# KiCad board Battman.kicad_pcb (continued)
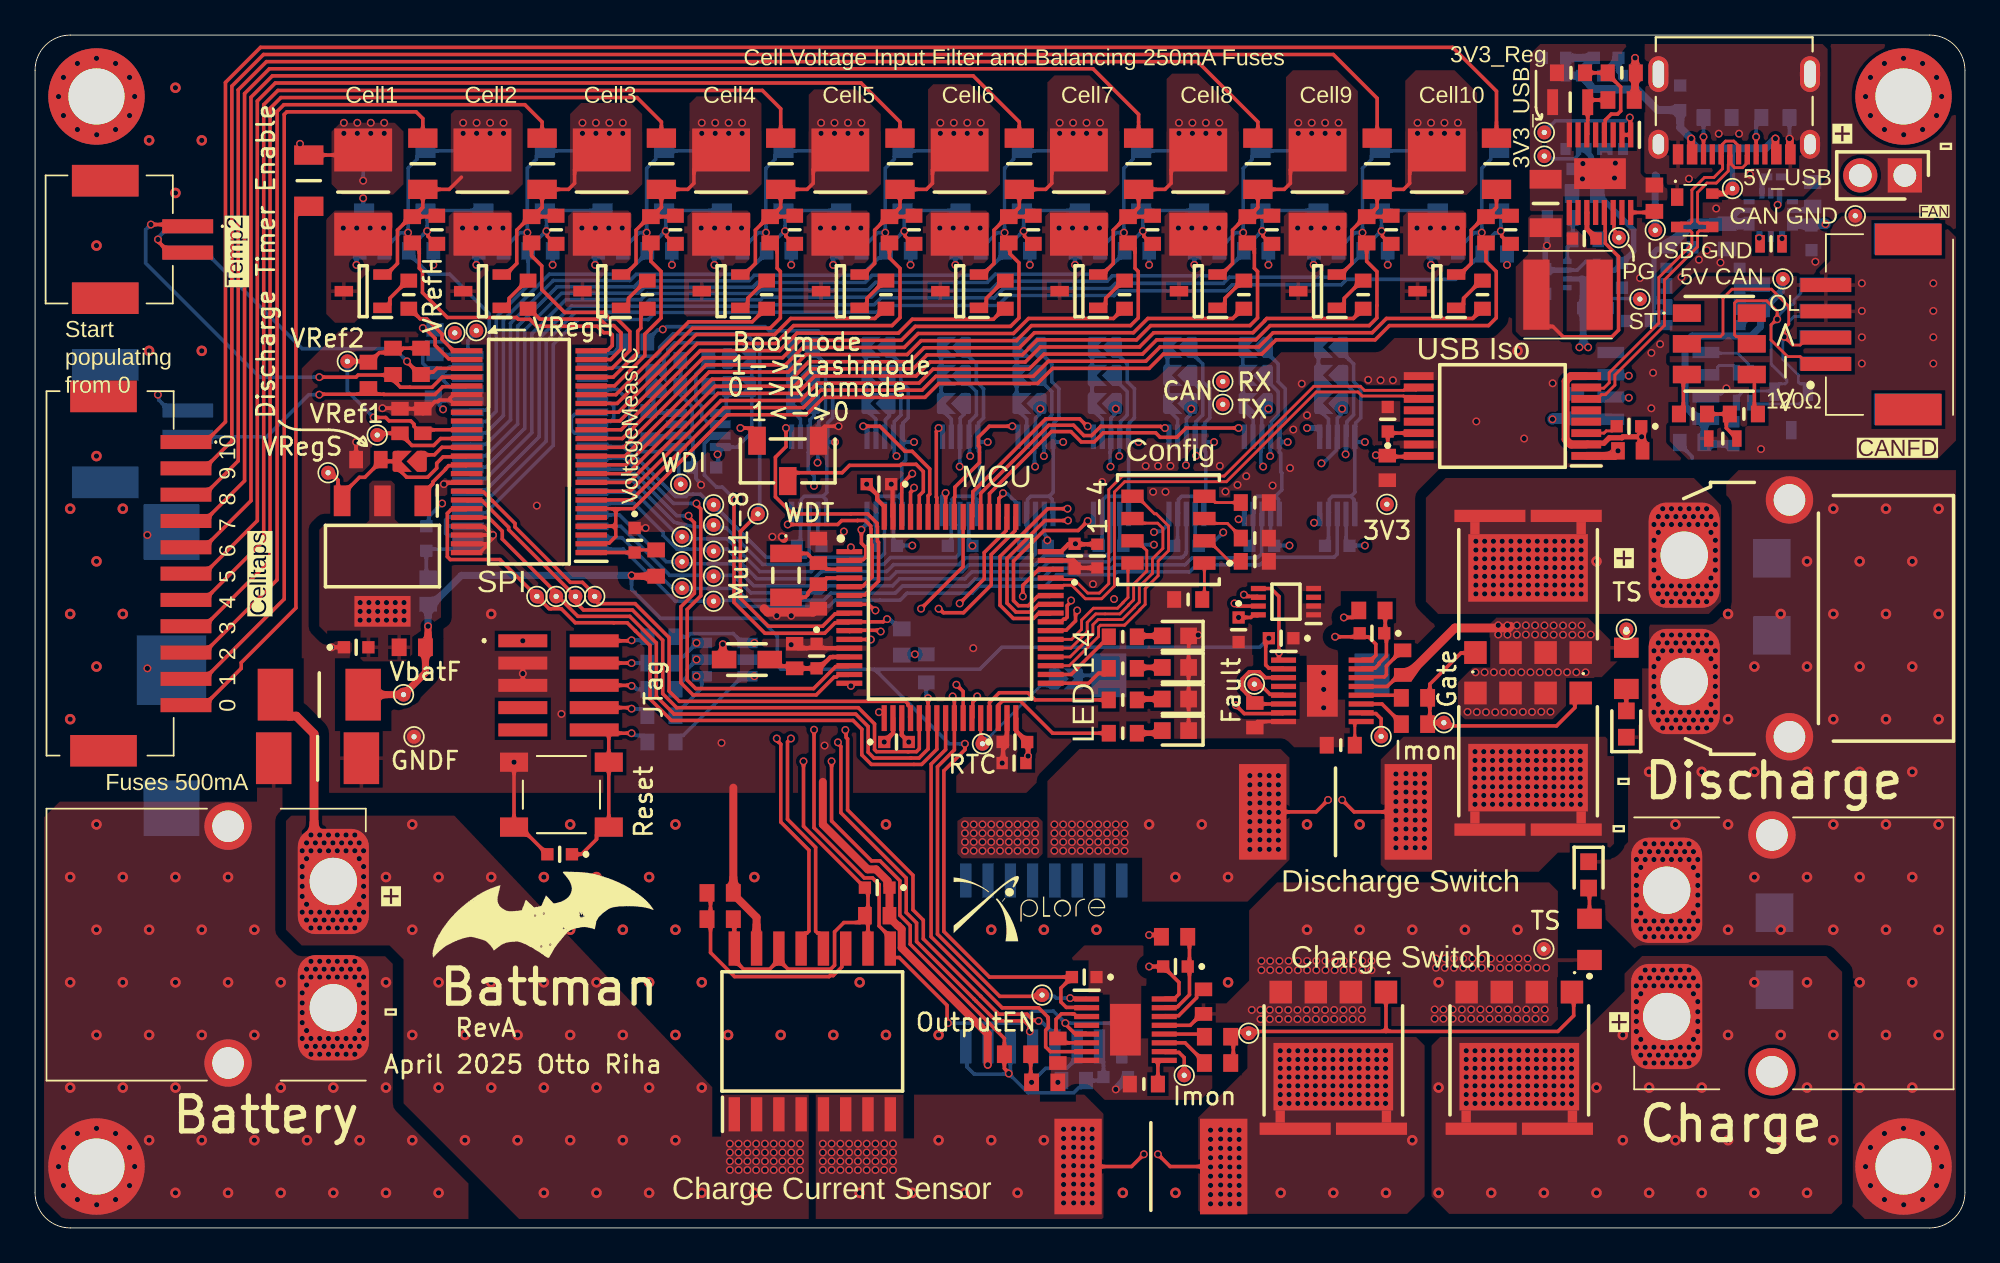
[diagram p0: board, top side]
## Routing (per net, layer and track width the routed paths; a pad name or vN(x,y) marks a point on that pad's centre or on a via; arc(x,y) is an arc through that point) (continued)
NetC409_2: length 1.9
  Top Layer w0.163: C409.2 89.89,45.44 89.56,45.44 89.43,45.31 IC403.3
NetC415_2: length 14
  Bottom Layer w0.2: 92.08,51.69 92.3,51.46 PS401.6 ; 92.28,52.1 92.38,52.2 92.65,52.2 ; 92.28,52.1 92.28,51.9 C415.2 ; 92.28,52.1 92.28,52.8 93.03,52.8 93.08,52.85 93.17,52.85
  Bottom Layer w0.3: C416.1 92.96,55.79 92.45,55.79 92.28,55.61 92.28,52.8 ; IC400.13 97.14,58 96.84,57.7 96.84,57.51 96.57,57.24
  Bottom Layer w0.6: C416.1 94.42,57.24 C421.2 96.45,57.25 97.69,57.25 IC400.11
NetC419_2: length 1.2
  Bottom Layer w0.3: IC400.5 101.1,58 C419.2
NetC602_1: length 5.5
  Top Layer w0.203: IC600.35 23.12,45 22.72,44.61 21.48,44.61 21.07,45.01 C602.1 19.6,45.3
NetC603_1: length 11.7
  Top Layer w0.203: IC600.37 24.55,43.95 23.25,43.95 22.89,43.59 22.89,43.31 22.38,42.8 21.18,42.8 20.63,43.35 20.63,43.55 20.48,43.7 19.8,43.7 C603.1 19.7,43.69 18.8,42.79 18.49,42.79 17.5,41.8 17.5,41.4 17.27,41.63 17.27,42.63 16.7,43.2
NetC713_2: length 2.7
  Top Layer w0.203: 96.8,45.2 96.4,45.6 96.4,46.4 95.1,46.4
NetC801A_2: length 4.8
  Top Layer w0.203: IC801A.3 59.38,12.05 59.23,12.2 59.14,12.2 59.14,12.2 58.51,12.2 58.2,11.89 58.2,10.9 C801A.2 58.55,10.55 IC801A.6
NetC801B_2: length 6
  Top Layer w0.203: IC801B.3 70.13,31.37 69.79,31.7 69.21,31.7 68.8,31.29 68.8,30.71 69.39,30.12 69.52,30.12 69.77,29.87 IC801B.6
NetC802A_1: length 2.4
  Top Layer w0.203: 66.21,13.31 66.21,13.12 65.18,12.1 64.41,12.1 64.41,12.1
NetC802B_1: length 3.3
  Top Layer w0.203: 75.63,31.41 76.91,31.41 77.02,31.53 77.02,32.03 77.56,32.57 77.56,32.64 77.88,32.96 77.95,32.96
NetC805A_1: length 4.6
  Top Layer w0.203: 65.8,16.15 65.8,15 C805A.1 ; 64.37,12.56 64.41,12.6 65.11,12.6 65.8,13.29 65.8,14.9
NetC805B_1: length 4.4
  Top Layer w0.203: IC801B.15 75.63,31.92 76.38,31.92 76.61,32.15 76.61,32.2 77.02,32.61 77.02,33.9 ; 76.96,35.19 76.96,33.96 C805B.1
NetF100_1: length 32.1
  Top Layer w0.203: F100.1 15.32,58.24 14.87,57.79 14.87,35.34 11.75,32.23 11.75,31.9 9.95,30.1 8.9,30.1 J7.11
NetF200A_2: length 9.9
  Top Layer w0.203: 21.58,57.65 21.43,57.65 20.65,56.88 20.65,54.98 20.03,54.35 Q200A.2 ; 21.58,57.65 22.85,57.65 R200A.1 ; 21.58,57.65 22.1,58.17 F200A.2 23.61,59.2 24.3,59.9
  vias: v1(24.4,63) v1(24.4,62.4) v1(25.17,63) v1(25.17,62.4) v1(25.93,63) v1(25.93,62.4) v1(26.7,63) v1(26.7,62.4)
NetF200B_2: length 12.2
  Top Layer w0.203: R203C.1 31.88,61.45 30.75,60.33 30.75,59.55 30.41,59.2 F200B.2 28.9,58.17 28.38,57.65 ; Q200B.2 26.83,54.35 27.45,54.98 27.45,56.88 28.23,57.65 28.38,57.65 ; 28.38,57.65 29.65,57.65 R200B.1
  vias: v1(31.2,63) v1(31.2,62.4) v1(31.97,63) v1(31.97,62.4) v1(32.73,63) v1(32.73,62.4) v1(33.5,63) v1(33.5,62.4)
NetF200C_2: length 12.2
  Top Layer w0.203: 35.18,57.65 36.45,57.65 R200C.1 ; 35.18,57.65 35.7,58.17 F200C.2 37.21,59.2 37.55,59.55 37.55,60.33 38.68,61.45 R203D.1 ; 35.18,57.65 35.03,57.65 34.25,56.88 34.25,54.98 33.63,54.35 Q200C.2
  vias: v1(38,63) v1(38,62.4) v1(38.77,63) v1(38.77,62.4) v1(39.53,63) v1(39.53,62.4) v1(40.3,63) v1(40.3,62.4)
NetF200D_2: length 12.2
  Top Layer w0.203: R203E.1 45.48,61.45 44.35,60.33 44.35,59.55 44.01,59.2 F200D.2 42.5,58.17 41.98,57.65 ; 41.98,57.65 43.25,57.65 R200D.1 ; 41.98,57.65 41.83,57.65 41.05,56.88 41.05,54.98 40.43,54.35 Q200D.2
  vias: v1(44.8,63) v1(44.8,62.4) v1(45.57,63) v1(45.57,62.4) v1(46.33,63) v1(46.33,62.4) v1(47.1,63) v1(47.1,62.4)
NetF200E_2: length 12.2
  Top Layer w0.203: 48.78,57.65 48.63,57.65 47.85,56.88 47.85,54.98 47.23,54.35 Q200E.2 ; 48.78,57.65 49.3,58.17 F200E.2 50.81,59.2 51.15,59.55 51.15,60.33 52.28,61.45 R203F.1 ; 48.78,57.65 50.05,57.65 R200E.1
  vias: v1(51.6,63) v1(51.6,62.4) v1(52.37,63) v1(52.37,62.4) v1(53.13,63) v1(53.13,62.4) v1(53.9,63) v1(53.9,62.4)
NetF200F_2: length 12.2
  Top Layer w0.203: 55.58,57.65 55.43,57.65 54.65,56.88 54.65,54.98 54.03,54.35 Q200F.2 ; 55.58,57.65 56.85,57.65 R200F.1 ; 55.58,57.65 56.1,58.17 F200F.2 57.61,59.2 57.95,59.55 57.95,60.33 59.08,61.45 R203G.1
  vias: v1(58.4,63) v1(58.4,62.4) v1(59.17,63) v1(59.17,62.4) v1(59.93,63) v1(59.93,62.4) v1(60.7,63) v1(60.7,62.4)
NetF200G_2: length 12.2
  Top Layer w0.203: R203H.1 65.88,61.45 64.75,60.33 64.75,59.55 64.41,59.2 F200G.2 62.9,58.17 62.38,57.65 ; Q200G.2 60.83,54.35 61.45,54.98 61.45,56.88 62.23,57.65 62.38,57.65 ; 62.38,57.65 63.65,57.65 R200G.1
  vias: v1(65.2,63) v1(65.2,62.4) v1(65.97,63) v1(65.97,62.4) v1(66.73,63) v1(66.73,62.4) v1(67.5,63) v1(67.5,62.4)
NetF200H_2: length 12.2
  Top Layer w0.203: Q200H.2 67.63,54.35 68.25,54.98 68.25,56.88 69.03,57.65 69.18,57.65 ; 69.18,57.65 70.45,57.65 R200H.1 ; 69.18,57.65 69.7,58.17 F200H.2 71.21,59.2 71.55,59.55 71.55,60.33 72.68,61.45 R203I.1
  vias: v1(72,63) v1(72,62.4) v1(72.77,63) v1(72.77,62.4) v1(73.53,63) v1(73.53,62.4) v1(74.3,63) v1(74.3,62.4)
NetF200I_2: length 12.2
  Top Layer w0.203: Q200I.2 74.43,54.35 75.05,54.98 75.05,56.88 75.83,57.65 75.98,57.65 ; R200I.1 77.25,57.65 75.98,57.65 ; R203J.1 79.48,61.45 78.35,60.33 78.35,59.55 78.01,59.2 F200I.2 76.5,58.17 75.98,57.65
  vias: v1(78.8,63) v1(78.8,62.4) v1(79.57,63) v1(79.57,62.4) v1(80.33,63) v1(80.33,62.4) v1(81.1,63) v1(81.1,62.4)
NetF200J_2: length 7.4
  Top Layer w0.203: 82.78,57.65 83.3,58.17 F200J.2 ; 82.78,57.65 84.05,57.65 R200J.1 ; 82.78,57.65 82.63,57.65 81.85,56.88 81.85,54.98 81.23,54.35 Q200J.2
NetIC300_20: length 32.7
  Top Layer w0.203: IC700.8 46.36,35 45.59,35 44.89,34.3 41.8,34.3 40.2,35.9 40.2,39.7 TP310.1
  Bottom Layer w0.203: 41.3,40.7 41.3,50.17 40.5,50.97 36.37,50.97 35.6,50.2 35.6,49.88 35.42,49.7 34.1,49.7 33.45,49.05 31.83,49.05 IC300.20
NetIC300_23: length 3.4
  Bottom Layer w0.203: IC300.25 31.9,45.97 32.8,45.97 32.98,46.15 32.98,46.85 32.8,47.03 31.9,47.03 IC300.23
NetIC300_24: length 3.4
  Bottom Layer w0.203: IC300.24 31.65,46.38 30.75,46.38 30.57,46.2 30.57,45.5 30.75,45.32 31.65,45.32 IC300.26
NetIC300_28: length 27.5
  Top Layer w0.203: v1(37.7,41.3) 37.7,41.23 37.94,40.99 37.94,36.03 37.17,35.26 37.17,31.23 37.66,30.74 44.37,30.74 45.63,32 46.36,32 IC700.14
  Bottom Layer w0.203: v1(37.7,41.3) 36.39,41.3 34.32,43.37 34.11,43.37 33.58,43.9 IC300.28
NetIC300_29: length 26.9
  Top Layer w0.203: v1(37.25,40.6) 37.25,40.53 37.37,40.41 37.58,40.2 37.58,36.18 36.81,35.41 36.81,31.08 37.51,30.38 44.53,30.38 45.54,31.4 45.68,31.4 45.78,31.5 46.36,31.5 46.41,31.55
  Bottom Layer w0.203: v1(37.25,40.6) 36.58,40.6 34.17,43.01 33.9,43.01 33.65,43.25 IC300.29
NetIC301_4: length 2.8
  Bottom Layer w0.203: IC301.4 35.08,46.46 R300.2 35.25,46.83 35.25,47.41 35.39,47.56 JS300.1
NetIC301_5: length 2.8
  Bottom Layer w0.203: IC301.5 39.28,46.46 39.4,46.58 JS301.1 38.4,47.96 R301.2
NetIC301_6: length 5.8
  Bottom Layer w0.203: 38.52,49.58 39.38,49.58 JS302.1 ; R302.2 38.38,49.38 37.67,48.68 37.67,47.17 38,46.84 38,46.26 38.32,45.93 38.93,45.93 IC301.6
NetIC400_1: length 1.1
  Bottom Layer w0.2: R400.1 98.6,59.92 98.43,59.76
  Bottom Layer w0.3: IC400.1 98.43,59.76
NetIC400_8: length 0.1
  Bottom Layer w0.4: v1(99.58,56.4) 99.58,56.51 IC400.8
NetIC400_10: length 0.1
  Bottom Layer w0.4: IC400.10 98.28,56.51 v1(98.28,56.42)
NetIC401_4: length 5.6
  Top Layer w0.203: 89.4,62.47 89.5,62.56 89.5,63.15 89.84,63.5 90.2,63.5 90.38,63.67 90.38,65.04 89.64,65.78 R402.1 R405.2
NetIC401_14: length 1.5
  Top Layer w0.203: IC401.14 90,57.84 90,56.87 90.28,56.59 90.28,56.5
NetIC401_16: length 1.4
  Top Layer w0.203: 92.3,58.1 92.09,57.89 IC401.16
NetIC402_8: length 2.7
  Bottom Layer w0.203: 91.45,52.98 89.72,52.98 89.1,53.6 IC402.8
NetIC500A_2: length 5.2
  Bottom Layer w0.203: 73.15,50.1 JS501A.2 73.15,46.66 73.31,46.5 73.33,46.5 73.73,46.1 IC500A.2
NetIC500B_2: length 5.2
  Bottom Layer w0.203: 68.85,50.1 JS501B.2 68.85,46.66 69.01,46.5 69.03,46.5 69.43,46.1 IC500B.2
NetIC500C_2: length 5.2
  Bottom Layer w0.203: IC500C.2 65.13,46.1 64.73,46.5 64.71,46.5 64.55,46.66 JS501C.2 64.55,50.1
NetIC500D_2: length 5.2
  Bottom Layer w0.203: IC500D.2 60.83,46.1 60.43,46.5 60.41,46.5 60.25,46.66 JS501D.2 60.25,50.1
NetIC500E_2: length 5.2
  Bottom Layer w0.203: 55.95,50.1 JS501E.2 55.95,46.66 56.11,46.5 56.13,46.5 56.53,46.1 IC500E.2
NetIC500F_2: length 5.2
  Bottom Layer w0.203: 51.65,50.1 JS501F.2 51.65,46.66 51.81,46.5 51.83,46.5 52.23,46.1 IC500F.2
NetIC500G_2: length 5.2
  Bottom Layer w0.203: IC500G.2 47.93,46.1 47.53,46.5 47.51,46.5 47.35,46.66 JS501G.2 47.35,50.1
NetIC500H_2: length 5.2
  Bottom Layer w0.203: IC500H.2 43.63,46.1 43.23,46.5 43.21,46.5 43.05,46.66 JS501H.2 43.05,50.1
NetIC600_36: length 3
  Top Layer w0.203: IC600.36 23.19,44.5 22.76,44.07 22.22,44.07 22.08,43.93 JS600.1
NetIC600_38: length 2.9
  Top Layer w0.203: 22.47,42.07 22.47,42.22 22.67,42.42 22.67,42.52 23.4,43.24 23.4,43.28 23.57,43.45 24.55,43.45 IC600.38
NetIC600_41: length 33
  Top Layer w0.203: IC600.41 24.65,41.95 25.56,41.95 27.36,40.16 27.36,39.96 30.51,36.8 31.2,36.8 31.9,36.1 ; IC700.20 49.85,29.11 49.85,29.7 49.75,29.8 49.75,29.88 49.62,30.02 36.72,30.02 36.14,30.6 36.14,33.65 34.2,35.59 32.11,35.59 31.96,35.74 31.96,35.94 TP606.1
NetIC600_42: length 36.4
  Top Layer w0.203: 30.64,35.84 31.26,35.23 34.05,35.23 35.77,33.5 35.77,30.45 36.57,29.66 46.92,29.66 47.85,28.73 47.85,27.27 47.97,27.15 50.23,27.15 50.4,27.32 IC700.21 ; IC600.42 24.65,41.45 25.48,41.45 26.99,39.94 26.99,39.81 TP605.1
NetIC600_43: length 41.3
  Top Layer w0.203: IC600.43 24.55,40.95 23.72,40.95 23.5,40.73 23.5,38.27 23.67,38.1 26.5,38.1 TP604.1 29.3,35.3 29.4,35.3 29.41,35.3 29.99,35.3 30.79,34.5 32.99,34.5 32.99,34.5 33.75,34.5 35.05,33.2 35.05,30.15 36.27,28.93 46.62,28.93 47.12,28.43 47.12,26.97 47.67,26.42 50.53,26.42 51.4,27.29 IC700.23
NetIC600_44: length 39
  Top Layer w0.203: TP603.1 29.8,36 30.94,34.86 33.9,34.86 35.41,33.35 35.41,30.3 36.42,29.29 46.77,29.29 47.49,28.58 47.49,27.12 47.82,26.79 50.38,26.79 50.9,27.3 IC700.22 v1(50.9,30.2) ; 29.8,36.1 26.63,39.27 26.63,39.72 25.85,40.5 IC600.44
  Bottom Layer w0.203: R711.2 50.8,30.37 50.9,30.27 v1(50.9,30.2)
NetIC700_27: length 19.6
  Top Layer w0.203: v1(53.7,30.3) 53.7,30.23 53.45,29.98 53.45,29.11 IC700.27 ; IC900.7 68.52,35.45 v1(68.37,35.6)
  Mid Layer 2 w0.203: v1(53.7,30.3) 58.38,30.3 63.58,35.49 68.19,35.49 68.3,35.6 v1(68.37,35.6)
NetIC700_28: length 7.3
  Top Layer w0.163: 53.9,27.6 IC700.28
  Bottom Layer w0.163: 53.9,27.5 57.3,30.9 57.86,30.9 58.03,31.07 JS700.1
NetIC700_35: length 14.9
  Top Layer w0.163: IC700.35 58.95,32.05 60.62,33.72 60.62,34.25 60.72,34.36 62.09,34.36 62.1,34.37 62.11,34.37 62.98,35.24 62.98,35.25 63.28,35.55 63.28,36.44 64.01,37.18 64.01,38.01 64.61,38.61 64.61,40.01 63.91,40.71 63.8,40.71 62.81,41.71 S701.B1
NetIC700_36: length 13.4
  Top Layer w0.163: S701.B2 62.82,40.17 63.99,40.17 64.28,39.88 64.28,38.74 63.69,38.14 63.69,37.31 62.94,36.56 62.94,35.67 62.66,35.38 62.66,35.37 61.96,34.68 60.59,34.68 60.3,34.38 60.3,33.85 58.99,32.55 IC700.36
NetIC700_37: length 10.4
  Top Layer w0.163: S701.B3 62.81,39.17 63.37,38.61 63.37,37.44 62.62,36.7 62.62,35.8 62.33,35.52 62.33,35.51 61.83,35 60.46,35 59.97,34.52 59.97,33.99 59.04,33.05 IC700.37
NetIC700_38: length 7.8
  Top Layer w0.163: S701.B4 62.3,37.64 62.3,35.94 62.01,35.65 62.01,35.64 61.7,35.33 60.32,35.33 59.65,34.65 59.65,34.12 59.08,33.55 IC700.38
NetIC801A_9: length 1.7
  Top Layer w0.203: R807A.2 64,9.5 64.05,9.55 IC801A.9
NetIC801A_10: length 2.3
  Top Layer w0.203: TP802A.1 65.5,9.71 65.2,10 64.41,10 IC801A.10
NetIC801A_11: length 2.4
  Top Layer w0.203: IC801A.11 65.55,10.55 66.4,9.7
NetIC801A_12: length 1.8
  Top Layer w0.203: IC801A.12 66.21,11.05
NetIC801B_9: length 2.1
  Top Layer w0.163: R807B.2 75.22,28.8 75.29,28.87 IC801B.9
  Top Layer w0.203: 75.22,28.82 75.27,28.87 IC801B.9
NetIC801B_10: length 2.3
  Top Layer w0.203: IC801B.10 75.63,29.32 76.43,29.32 76.72,29.02 TP802B.1
NetIC801B_11: length 2.4
  Top Layer w0.203: 77.62,29.02 76.77,29.87 IC801B.11
NetIC801B_12: length 1.8
  Top Layer w0.203: IC801B.12 77.43,30.37
NetJ10_A5: length 2.2
  Top Layer w0.203: 98.15,61.15 J10.A5 v1(98.1,62.2)
  Bottom Layer w0.203: v1(98.1,62.2) 98.1,63.1 98.3,63.3
NetJ10_B5: length 2.2
  Top Layer w0.203: v1(95.1,62.2) J10.B5 95.15,61.15
  Bottom Layer w0.203: v1(95.1,62.2) 95.1,63.2 95.2,63.3
NetJ700_2: length 3.2
  Top Layer w0.203: J700.2 34,33.47
  Bottom Layer w0.203: 35,33.7 34.8,33.5 v1(34,33.5)
NetJ700_4: length 3.1
  Top Layer w0.203: J700.4 v1(34,32.2)
  Bottom Layer w0.203: v1(34,32.2) 35,32.2
NetJ700_6: length 3.2
  Top Layer w0.203: J700.6 34,30.93
  Bottom Layer w0.203: v1(34,30.9) 34.1,30.9 34.3,30.7 35,30.7
NetJ700_8: length 3.3
  Top Layer w0.203: J700.8 34,29.66
  Bottom Layer w0.203: 35,29.2 34.63,29.57 34.03,29.57 v1(34,29.6)
NetJS700_2: length 1.8
  Bottom Layer w0.203: JS700.2 59.48,31.35 59.62,31.5 LS700.1
NetLED700_2: length 1.5
  Top Layer w0.3: R700.1 62.85,33.75 LED700.2
NetLED701_2: length 1.5
  Top Layer w0.3: R701.1 62.85,31.95 LED701.2
NetLED702_2: length 1.5
  Top Layer w0.3: LED702.2 62.85,30.15 R702.1
NetLED703_2: length 1.5
  Top Layer w0.3: LED703.2 64.1,28.2 R703.1
NetLED800A_2: length 2
  Top Layer w0.203: 88.6,17.4 R800A.2 88.6,19.38
NetLED800B_2: length 1.3
  Top Layer w0.203: 90.69,29.81 90.7,29.82 90.7,31.1
NetQ200A_1: length 2.3
  Top Layer w0.203: Q200A.1 20.03,52.45 20.22,52.65 20.22,53 21.23,54 R202A.1
NetQ200A_3:
  vias: v1(17.57,57) v1(18.33,57) v1(19.1,57) v1(19.87,57)
NetQ200B_1: length 2.3
  Top Layer w0.203: R202B.1 28.03,54 27.02,53 27.02,52.65 26.83,52.45 Q200B.1
NetQ200B_3:
  vias: v1(24.37,57) v1(25.13,57) v1(25.9,57) v1(26.67,57)
NetQ200C_1: length 2.3
  Top Layer w0.203: Q200C.1 33.63,52.45 33.82,52.65 33.82,53 34.83,54 R202C.1
NetQ200C_3:
  vias: v1(31.17,57) v1(31.93,57) v1(32.7,57) v1(33.47,57)
NetQ200D_1: length 2.3
  Top Layer w0.203: Q200D.1 40.43,52.45 40.62,52.65 40.62,53 41.63,54 R202D.1
NetQ200D_3:
  vias: v1(37.97,57) v1(38.73,57) v1(39.5,57) v1(40.27,57)
NetQ200E_1: length 2.3
  Top Layer w0.203: Q200E.1 47.23,52.45 47.42,52.65 47.42,53 48.43,54 R202E.1
NetQ200E_3:
  vias: v1(44.77,57) v1(45.53,57) v1(46.3,57) v1(47.07,57)
NetQ200F_1: length 2.3
  Top Layer w0.203: R202F.1 55.23,54 54.22,53 54.22,52.65 54.03,52.45 Q200F.1
NetQ200F_3:
  vias: v1(51.57,57) v1(52.33,57) v1(53.1,57) v1(53.87,57)
NetQ200G_1: length 2.3
  Top Layer w0.203: Q200G.1 60.83,52.45 61.02,52.65 61.02,53 62.03,54 R202G.1
NetQ200G_3:
  vias: v1(58.37,57) v1(59.13,57) v1(59.9,57) v1(60.67,57)
NetQ200H_1: length 2.3
  Top Layer w0.203: R202H.1 68.83,54 67.82,53 67.82,52.65 67.63,52.45 Q200H.1
NetQ200H_3:
  vias: v1(65.17,57) v1(65.93,57) v1(66.7,57) v1(67.47,57)
NetQ200I_1: length 2.3
  Top Layer w0.203: R202I.1 75.63,54 74.62,53 74.62,52.65 74.43,52.45 Q200I.1
NetQ200I_3:
  vias: v1(71.97,57) v1(72.73,57) v1(73.5,57) v1(74.27,57)
NetQ200J_1: length 2.3
  Top Layer w0.203: R202J.1 82.43,54 81.42,53 81.42,52.65 81.23,52.45 Q200J.1
NetQ200J_3:
  vias: v1(78.77,57) v1(79.53,57) v1(80.3,57) v1(81.07,57)
NetR704_2: length 2.1
  Top Layer w0.163: R704.2 66.65,35.95 S701.A1
NetR705_2: length 2.6
  Top Layer w0.163: R705.2 68.08,38 66.91,39.17 S701.A2
NetR706_2: length 2.6
  Top Layer w0.163: S701.A3 66.93,40.16 67.97,40.16 68.73,39.4 R706.2
NetR707_2: length 2.2
  Top Layer w0.163: S701.A4 66.91,41.71 67.27,41.35 R707.2
NetR708_1: length 1.7
  Top Layer w0.203: 98,46.4 98,48.1
NetR709_2: length 2.2
  Top Layer w0.203: 93.95,46.23 93.95,48.45
NRST: length 16
  Top Layer w0.203: IC700.7 47.5,35.55 47.85,35.2 v1(47.9,35.2)
  Mid Layer 2 w0.203: v1(41,31.45) 44.15,31.45 v1(47.9,35.2)
  Bottom Layer w0.203: IC702.3 40.33,31.45 36.95,28.07 36.8,28.07 36.5,27.77 R716.2 ; 36.6,27.7 36.78,27.52
Out1:
  vias: v1(81.58,10.1) v1(81.58,9.6) v1(81.58,9.1) v1(81.58,8.6) v1(81.58,8.1) v1(81.58,7.6) v1(81.58,7.1) v1(82.08,10.1) v1(82.08,9.6) v1(82.08,9.1) v1(82.08,8.6) v1(82.08,8.1) v1(82.08,7.6) v1(82.08,7.1) v1(82.58,10.1) v1(82.58,9.6) v1(82.58,9.1) v1(82.58,8.6) v1(82.58,8.1) v1(82.58,7.6) v1(82.58,7.1) v1(83.08,10.1) v1(83.08,9.6) v1(83.08,9.1) v1(83.08,8.6) v1(83.08,8.1) v1(83.08,7.6) v1(83.08,7.1) v1(83.58,10.1) v1(83.58,9.6) v1(83.58,9.1) v1(83.58,8.6) v1(83.58,8.1) v1(83.58,7.6) v1(83.58,7.1) v1(84.08,10.1) v1(84.08,9.6) v1(84.08,9.1) v1(84.08,8.6) v1(84.08,8.1) v1(84.08,7.6) v1(84.08,7.1) v1(84.58,10.1) v1(84.58,9.6) v1(84.58,9.1) v1(84.58,8.6) v1(84.58,8.1) v1(84.58,7.6) v1(84.58,7.1) v1(85.08,10.1) v1(85.08,9.6) v1(85.08,9.1) v1(85.08,8.6) v1(85.08,8.1) v1(85.08,7.6) v1(85.08,7.1) v1(85.58,10.1) v1(85.58,9.6) v1(85.58,9.1) v1(85.58,8.6) v1(85.58,8.1) v1(85.58,7.6) v1(85.58,7.1) v1(86.08,10.1) v1(86.08,9.6) v1(86.08,9.1) v1(86.08,8.6) v1(86.08,8.1) v1(86.08,7.6) v1(86.08,7.1) v1(86.58,10.1) v1(86.58,9.6) v1(86.58,9.1) v1(86.58,8.6) v1(86.58,8.1) v1(86.58,7.6) v1(86.58,7.1) v1(87.08,10.1) v1(87.08,9.6) v1(87.08,9.1) v1(87.08,8.6) v1(87.08,8.1) v1(87.08,7.6) v1(87.08,7.1) v1(87.58,10.1) v1(87.58,9.6) v1(87.58,9.1) v1(87.58,8.6) v1(87.58,8.1) v1(87.58,7.6) v1(87.58,7.1) v1(91.28,13.8) v1(91.28,12.9) v1(91.28,12.32) v1(91.28,11.77) v1(91.28,11.2) v1(91.28,10.3) v1(91.53,14.25) v1(91.53,13.35) v1(91.53,10.75) v1(91.53,9.85) v1(91.78,14.7) v1(91.78,13.8) v1(91.78,10.3) v1(91.78,9.4) v1(92.03,14.25) v1(92.03,9.85) v1(92.28,14.7) v1(92.28,13.8) v1(92.28,10.3) v1(92.28,9.4) v1(92.53,14.25) v1(92.53,9.85) v1(92.78,14.7) v1(92.78,13.8) v1(92.78,10.3) v1(92.78,9.4) v1(93.03,14.25) v1(93.03,9.85) v1(93.28,14.7) v1(93.28,13.8) v1(93.28,10.3) v1(93.28,9.4) v1(93.53,14.25) v1(93.53,9.85) v1(93.78,14.7) v1(93.78,13.8) v1(93.78,10.3) v1(93.78,9.4) v1(94.03,14.25) v1(94.03,9.85) v1(94.28,14.7) v1(94.28,13.8) v1(94.28,10.3) v1(94.28,9.4) v1(94.53,14.25) v1(94.53,13.35) v1(94.53,10.75) v1(94.53,9.85) v1(94.78,13.8) v1(94.78,12.9) v1(94.78,12.32) v1(94.78,11.77) v1(94.78,11.2) v1(94.78,10.3) v2(80,8) v2(80,2) v2(83,2) v2(86,2) v2(89,8) v2(89,2) v2(90.5,11) v2(90.5,5) v2(92,8) v2(92,2) v2(93.5,5) v2(95,8) v2(95,2) v2(96.5,11) v2(96.5,5) v2(98,14) v2(98,2) v2(99.5,11) v2(99.5,5) v2(101,14) v2(101,8) v2(101,2) v2(102.5,11) v2(102.5,5)
Out2:
  vias: v1(82.13,39.15) v1(82.13,38.64) v1(82.13,38.15) v1(82.13,37.64) v1(82.13,37.14) v1(82.13,36.65) v1(82.13,36.14) v1(82.63,39.15) v1(82.63,38.64) v1(82.63,38.15) v1(82.63,37.64) v1(82.63,37.14) v1(82.63,36.65) v1(82.63,36.14) v1(83.13,39.15) v1(83.13,38.64) v1(83.13,38.15) v1(83.13,37.64) v1(83.13,37.14) v1(83.13,36.65) v1(83.13,36.14) v1(83.63,39.15) v1(83.63,38.64) v1(83.63,38.15) v1(83.63,37.64) v1(83.63,37.14) v1(83.63,36.65) v1(83.63,36.14) v1(84.13,39.15) v1(84.13,38.64) v1(84.13,38.15) v1(84.13,37.64) v1(84.13,37.14) v1(84.13,36.65) v1(84.13,36.14) v1(84.63,39.15) v1(84.63,38.64) v1(84.63,38.15) v1(84.63,37.64) v1(84.63,37.14) v1(84.63,36.65) v1(84.63,36.14) v1(85.13,39.15) v1(85.13,38.64) v1(85.13,38.15) v1(85.13,37.64) v1(85.13,37.14) v1(85.13,36.65) v1(85.13,36.14) v1(85.63,39.15) v1(85.63,38.64) v1(85.63,38.15) v1(85.63,37.64) v1(85.63,37.14) v1(85.63,36.65) v1(85.63,36.14) v1(86.13,39.15) v1(86.13,38.64) v1(86.13,38.15) v1(86.13,37.64) v1(86.13,37.14) v1(86.13,36.65) v1(86.13,36.14) v1(86.63,39.15) v1(86.63,38.64) v1(86.63,38.15) v1(86.63,37.64) v1(86.63,37.14) v1(86.63,36.65) v1(86.63,36.14) v1(87.13,39.15) v1(87.13,38.64) v1(87.13,38.15) v1(87.13,37.64) v1(87.13,37.14) v1(87.13,36.65) v1(87.13,36.14) v1(87.63,39.15) v1(87.63,38.64) v1(87.63,38.15) v1(87.63,37.64) v1(87.63,37.14) v1(87.63,36.65) v1(87.63,36.14) v1(88.13,39.15) v1(88.13,38.64) v1(88.13,38.15) v1(88.13,37.64) v1(88.13,37.14) v1(88.13,36.65) v1(88.13,36.14) v1(92.28,40.1) v1(92.28,39.2) v1(92.28,38.62) v1(92.28,38.07) v1(92.28,37.5) v1(92.28,36.6) v1(92.53,40.55) v1(92.53,39.65) v1(92.53,37.05) v1(92.53,36.15) v1(92.78,41) v1(92.78,40.1) v1(92.78,36.6) v1(92.78,35.7) v1(93.03,40.55) v1(93.03,36.15) v1(93.28,41) v1(93.28,40.1) v1(93.28,36.6) v1(93.28,35.7) v1(93.53,40.55) v1(93.53,36.15) v1(93.78,41) v1(93.78,40.1) v1(93.78,36.6) v1(93.78,35.7) v1(94.03,40.55) v1(94.03,36.15) v1(94.28,41) v1(94.28,40.1) v1(94.28,36.6) v1(94.28,35.7) v1(94.53,40.55) v1(94.53,36.15) v1(94.78,41) v1(94.78,40.1) v1(94.78,36.6) v1(94.78,35.7) v1(95.03,40.55) v1(95.03,36.15) v1(95.28,41) v1(95.28,40.1) v1(95.28,36.6) v1(95.28,35.7) v1(95.53,40.55) v1(95.53,39.65) v1(95.53,37.05) v1(95.53,36.15) v1(95.78,40.1) v1(95.78,39.2) v1(95.78,38.62) v1(95.78,38.07) v1(95.78,37.5) v1(95.78,36.6) v2(89,38)
OutputEnable: length 50.5
  Top Layer w0.203: IC900.5 70.45,36.45 70.9,36 v1(70.9,32.8) 70.9,32.42 70.95,32.37 IC801B.1 ; v1(52.3,30.3) 52.3,30.23 52.4,30.13 52.4,27.25 51.44,26.29 51.44,16.75 54.99,13.2 57.4,13.2 ; v1(59,13.1) 59.03,13.07 59.91,13.07 IC801A.1
  Mid Layer 2 w0.203: v1(70.9,32.8) 70.9,31.54 68.65,29.3 53.3,29.3 v1(52.3,30.3)
  Bottom Layer w0.203: 57.4,13.2 58.1,13.2 58.2,13.1 v1(59,13.1)
RST: length 11.7
  Top Layer w0.203: C708.1 31.15,21.3 32,22.15 32,22.4 32.45,22.85 S700.1 S700.1 32.7,28.12 32.43,28.39 J700.10 ; 32.7,28.2 v1(34,28.2)
  Bottom Layer w0.203: v1(34,28.2) 34.11,28.2 34.23,28.07 34.7,28.07 35,27.77 35,27.7
shunt+A: length 18.5
  Top Layer w0.203: v1(63.2,4.2) 62.5,3.5 60.25,3.5 ; R805A.1 59.73,3.5 ; v1(59.73,3.53) v1(60.25,3.53) ; 64.41,13.1 64.97,13.1 65.2,13.33 65.2,14 C805A.2 v1(63.5,14.9)
  Mid Layer 2 w0.203: v1(63.5,14.9) 63.5,14.83 63.2,14.53 v1(63.2,4.2)
  vias: v1(44.9,4.8) v1(44.9,4.3) v1(44.9,3.8) v1(44.9,3.3) v1(45.4,4.8) v1(45.4,4.3) v1(45.4,3.8) v1(45.4,3.3) v1(45.9,4.8) v1(45.9,4.3) v1(45.9,3.8) v1(45.9,3.3) v1(46.4,4.8) v1(46.4,4.3) v1(46.4,3.8) v1(46.4,3.3) v1(46.9,4.8) v1(46.9,4.3) v1(46.9,3.8) v1(46.9,3.3) v1(47.4,4.8) v1(47.4,4.3) v1(47.4,3.8) v1(47.4,3.3) v1(47.9,4.8) v1(47.9,4.3) v1(47.9,3.8) v1(47.9,3.3) v1(48.4,4.8) v1(48.4,4.3) v1(48.4,3.8) v1(48.4,3.3) v1(48.9,4.8) v1(48.9,4.3) v1(48.9,3.8) v1(48.9,3.3) v1(58.63,5.62) v1(58.63,5.1) v1(58.63,4.57) v1(58.63,4.05) v1(58.63,3.53) v1(58.63,3) v1(58.63,2.47) v1(58.63,1.95) v1(58.63,1.42) v1(59.2,5.65) v1(59.2,5.12) v1(59.2,4.6) v1(59.2,4.07) v1(59.2,3.55) v1(59.2,3.03) v1(59.2,2.5) v1(59.2,1.97) v1(59.2,1.42) v1(59.73,5.62) v1(59.73,5.1) v1(59.73,4.57) v1(59.73,4.05) v1(59.72,3) v1(59.73,2.48) v1(59.73,1.95) v1(59.73,1.42) v1(60.25,5.62) v1(60.25,5.1) v1(60.25,4.57) v1(60.25,4.05) v1(60.25,3) v1(60.25,2.47) v1(60.25,1.95) v1(60.25,1.42) v2(47,2) v2(50,2) v2(51.5,5) v2(53,2) v2(54.5,5) v2(56,2) v2(57.5,5)
shunt+B: length 18.5
  Top Layer w0.203: 75.63,32.42 76.2,32.42 76.42,32.64 76.42,33.28 76.01,33.69 75.71,33.69 C805B.2 75.3,33.7 v1(74.1,33.7) ; R805B.1 73.02,23.72 v1(73.7,24.4) ; v1(70.34,23.68) v1(70.87,23.68) ; 70.07,23.66 70.34,23.66
  Mid Layer 2 w0.203: v1(73.7,24.4) 73.7,24.44 74.1,24.84 v1(74.1,33.7)
  vias: v1(58.1,23) v1(58.1,22.5) v1(58.1,22) v1(58.1,21.5) v1(58.6,23) v1(58.6,22.5) v1(58.6,22) v1(58.6,21.5) v1(59.1,23) v1(59.1,22.5) v1(59.1,22) v1(59.1,21.5) v1(59.6,23) v1(59.6,22.5) v1(59.6,22) v1(59.6,21.5) v1(60.1,23) v1(60.1,22.5) v1(60.1,22) v1(60.1,21.5) v1(60.6,23) v1(60.6,22.5) v1(60.6,22) v1(60.6,21.5) v1(61.1,23) v1(61.1,22.5) v1(61.1,22) v1(61.1,21.5) v1(61.6,23) v1(61.6,22.5) v1(61.6,22) v1(61.6,21.5) v1(62.1,23) v1(62.1,22.5) v1(62.1,22) v1(62.1,21.5) v1(69.24,25.78) v1(69.24,25.26) v1(69.24,24.73) v1(69.24,24.21) v1(69.24,23.68) v1(69.24,23.16) v1(69.24,22.63) v1(69.24,22.11) v1(69.24,21.58) v1(69.82,25.81) v1(69.82,25.28) v1(69.82,24.76) v1(69.82,24.23) v1(69.82,23.71) v1(69.82,23.18) v1(69.82,22.66) v1(69.82,22.13) v1(69.82,21.58) v1(70.34,25.78) v1(70.34,25.26) v1(70.34,24.73) v1(70.34,24.21) v1(70.34,23.16) v1(70.34,22.63) v1(70.34,22.11) v1(70.34,21.58) v1(70.87,25.78) v1(70.87,25.26) v1(70.87,24.73) v1(70.87,24.21) v1(70.87,23.16) v1(70.87,22.63) v1(70.87,22.11) v1(70.87,21.58) v2(63.5,23) v2(65,20) v2(66.5,23) v2(68,20)
shunt-A: length 18.3
  Top Layer w0.203: 67.83,3.45 68.1,3.45 ; v1(68.1,3.47) v1(68.63,3.47) ; R806A.2 64.1,16.7 v1(63.5,16.7) ; R805A.2 64.7,3.5 v1(64,4.2)
  Mid Layer 2 w0.203: v1(63.5,16.7) 64,16.2 64,4.2 v1(64,4.2)
  vias: v1(67,5.57) v1(67,5.05) v1(67,4.52) v1(67,4) v1(67,3.47) v1(67,2.95) v1(67,2.42) v1(67,1.9) v1(67,1.37) v1(67.58,5.6) v1(67.58,5.07) v1(67.58,4.55) v1(67.58,4.02) v1(67.58,3.5) v1(67.58,2.97) v1(67.58,2.45) v1(67.58,1.92) v1(67.58,1.37) v1(68.1,5.57) v1(68.1,5.05) v1(68.1,4.52) v1(68.1,4) v1(68.1,2.95) v1(68.1,2.42) v1(68.1,1.9) v1(68.1,1.37) v1(68.63,5.57) v1(68.63,5.05) v1(68.63,4.52) v1(68.63,4) v1(68.63,2.95) v1(68.63,2.42) v1(68.63,1.9) v1(68.63,1.37) v1(70.98,10.1) v1(70.98,9.6) v1(70.98,9.1) v1(70.98,8.6) v1(70.98,8.1) v1(70.98,7.6) v1(70.98,7.1) v1(71.48,10.1) v1(71.48,9.6) v1(71.48,9.1) v1(71.48,8.6) v1(71.48,8.1) v1(71.48,7.6) v1(71.48,7.1) v1(71.98,10.1) v1(71.98,9.6) v1(71.98,9.1) v1(71.98,8.6) v1(71.98,8.1) v1(71.98,7.6) v1(71.98,7.1) v1(72.48,10.1) v1(72.48,9.6) v1(72.48,9.1) v1(72.48,8.6) v1(72.48,8.1) v1(72.48,7.6) v1(72.48,7.1) v1(72.98,10.1) v1(72.98,9.6) v1(72.98,9.1) v1(72.98,8.6) v1(72.98,8.1) v1(72.98,7.6) v1(72.98,7.1) v1(73.48,10.1) v1(73.48,9.6) v1(73.48,9.1) v1(73.48,8.6) v1(73.48,8.1) v1(73.48,7.6) v1(73.48,7.1) v1(73.98,10.1) v1(73.98,9.6) v1(73.98,9.1) v1(73.98,8.6) v1(73.98,8.1) v1(73.98,7.6) v1(73.98,7.1) v1(74.48,10.1) v1(74.48,9.6) v1(74.48,9.1) v1(74.48,8.6) v1(74.48,8.1) v1(74.48,7.6) v1(74.48,7.1) v1(74.98,10.1) v1(74.98,9.6) v1(74.98,9.1) v1(74.98,8.6) v1(74.98,8.1) v1(74.98,7.6) v1(74.98,7.1) v1(75.48,10.1) v1(75.48,9.6) v1(75.48,9.1) v1(75.48,8.6) v1(75.48,8.1) v1(75.48,7.6) v1(75.48,7.1) v1(75.98,10.1) v1(75.98,9.6) v1(75.98,9.1) v1(75.98,8.6) v1(75.98,8.1) v1(75.98,7.6) v1(75.98,7.1) v1(76.48,10.1) v1(76.48,9.6) v1(76.48,9.1) v1(76.48,8.6) v1(76.48,8.1) v1(76.48,7.6) v1(76.48,7.1) v1(76.98,10.1) v1(76.98,9.6) v1(76.98,9.1) v1(76.98,8.6) v1(76.98,8.1) v1(76.98,7.6) v1(76.98,7.1) v2(71,2) v2(74,2) v2(77,2) v2(78.5,5)
